# Altium PCB Hvamp_32.PCBDOC (part 3 of 6) (continued)
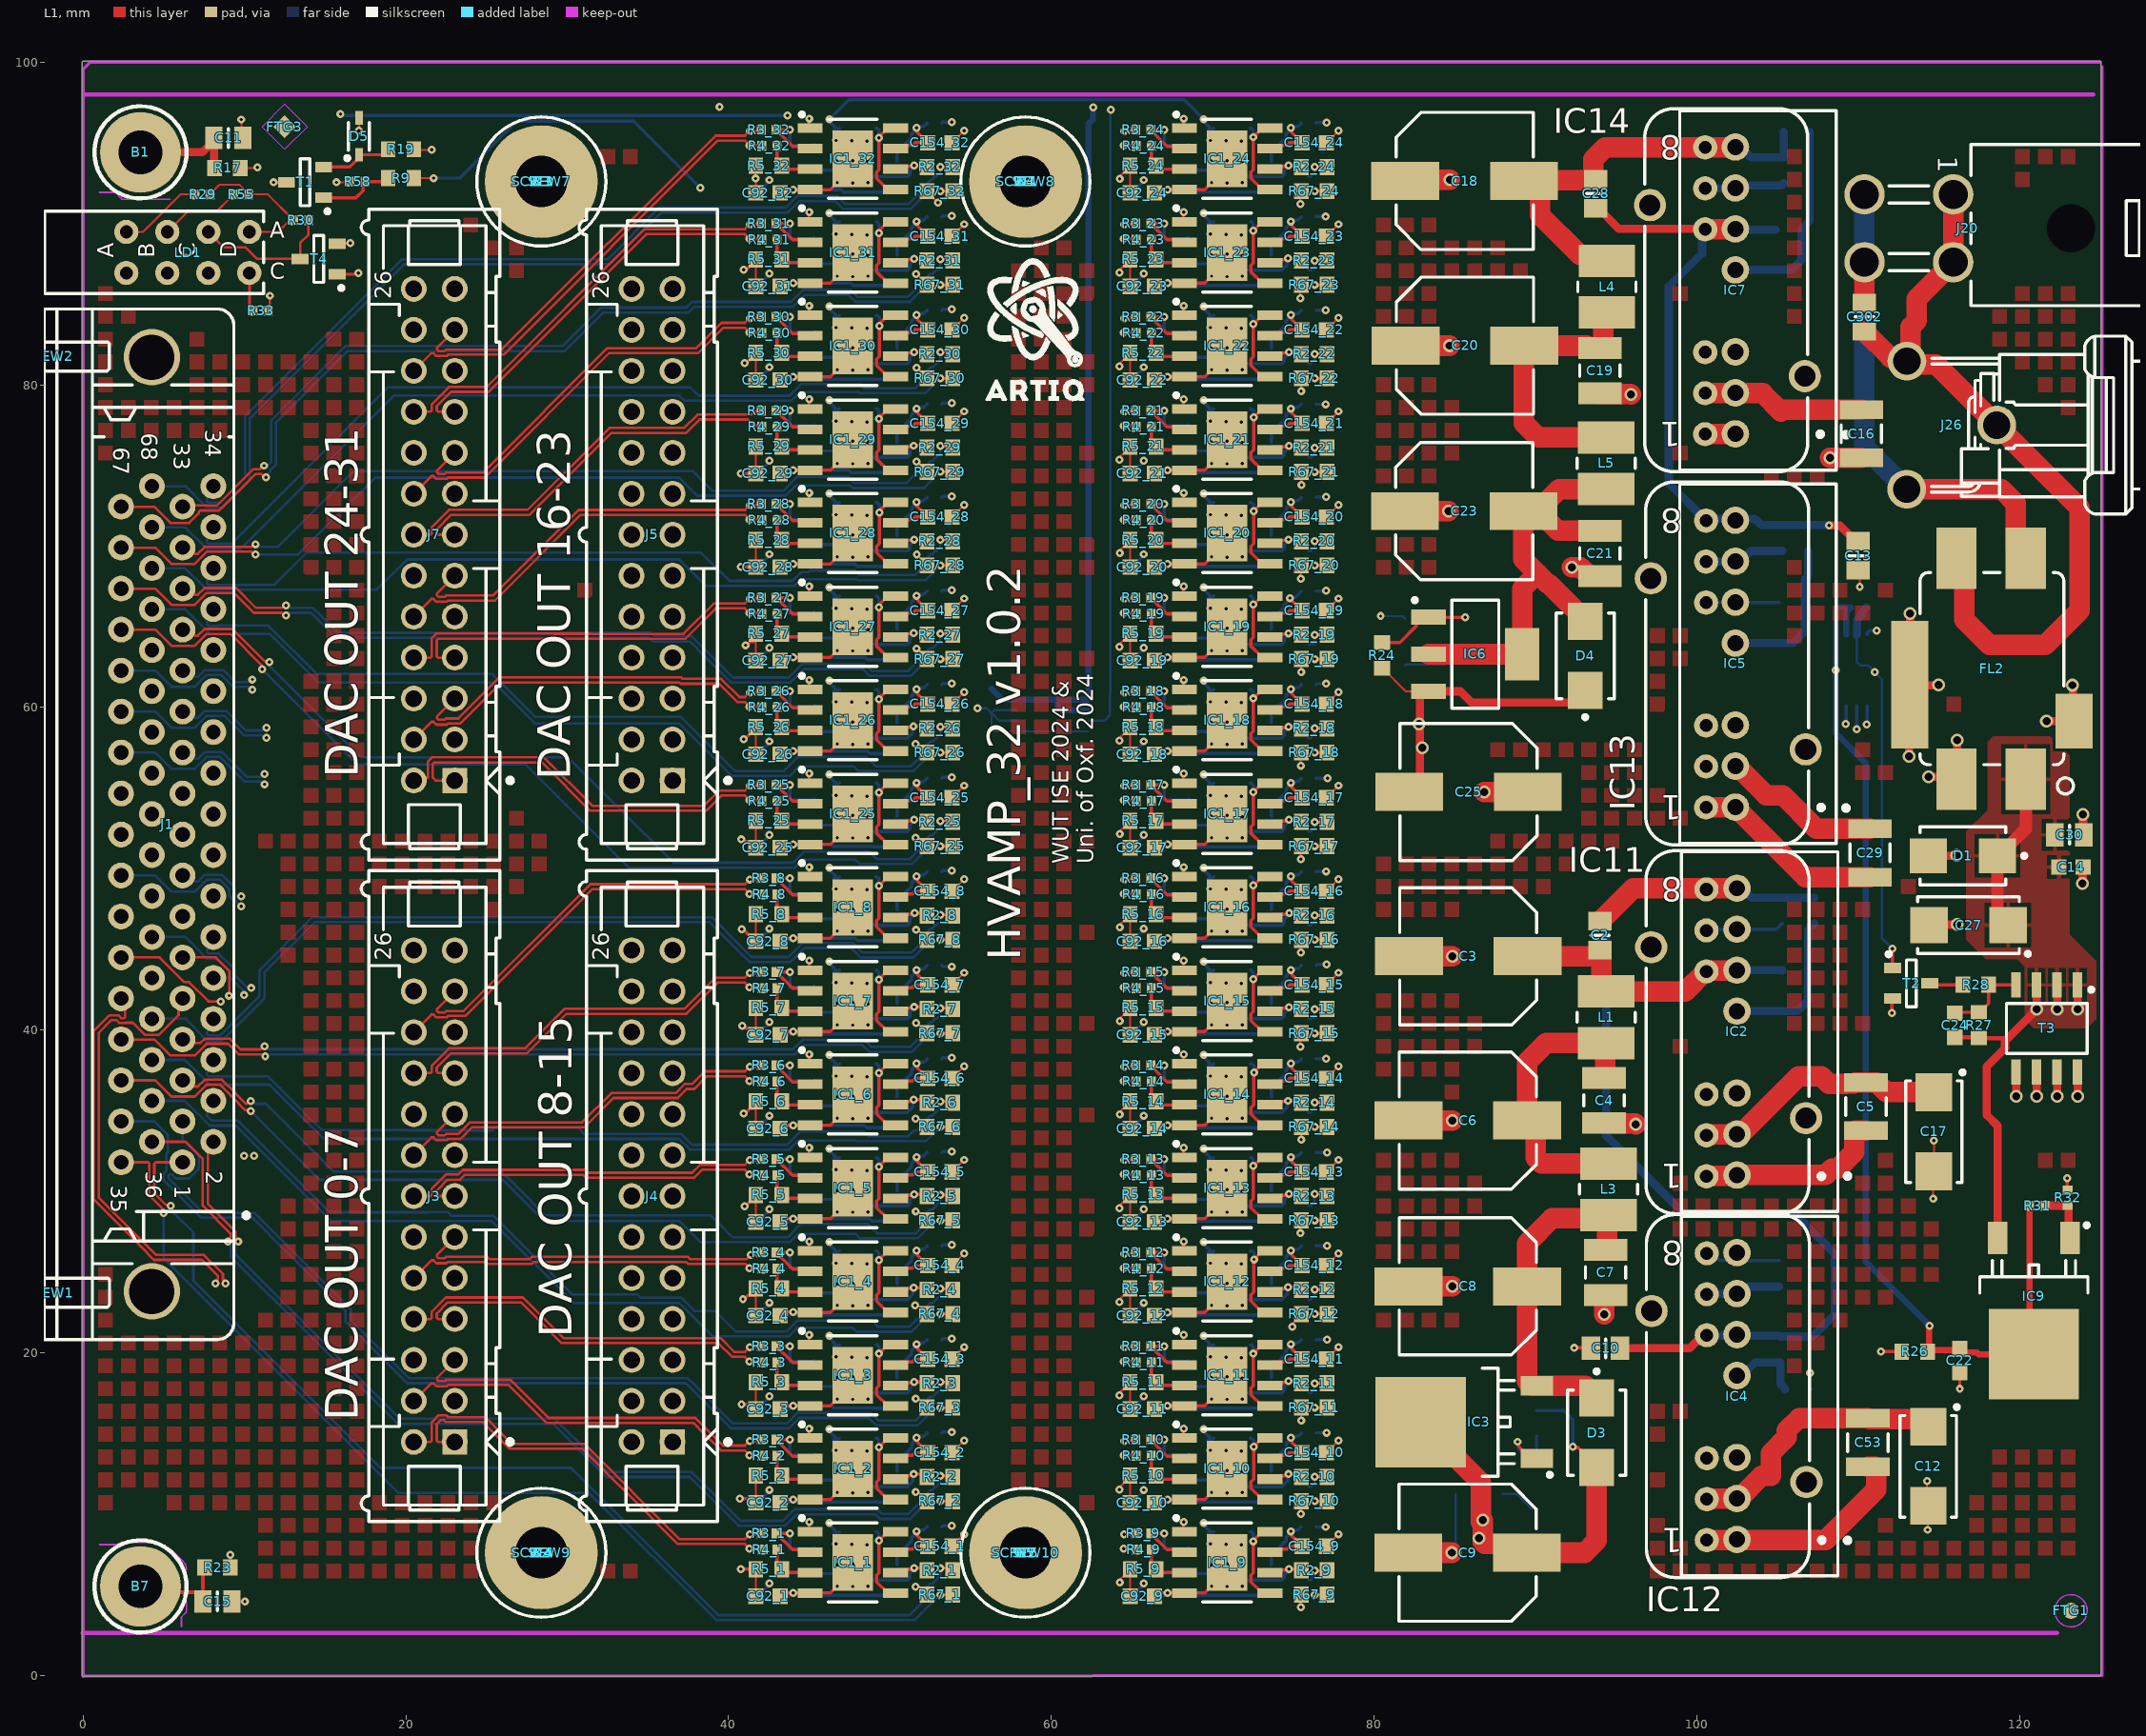
[diagram p0: L1 view]
## Nets (pads, with @x,y where several pads share a name; then routed paths per layer and width w, separated by ;. In a path a pad name is that pad's centre, name@x,y a point inside that pad or via, vN(x,y) a via of type N, cw(c..) or ccw(c..) an arc to the next point about the centre after c; other vN are vias at no path point) (continued)
  other v2: 83,57.5 82.804,58.972
HV_POS: C9.1 D3.2 IC3.2 L2_1.1 L2_2.1 L2_3.1 L2_4.1 L2_5.1 L2_6.1 L2_7.1 L2_8.1 L2_9.1 L2_10.1 L2_11.1 L2_12.1 L2_13.1 L2_14.1 L2_15.1 L2_16.1 L2_17.1 L2_18.1 L2_19.1 L2_20.1 L2_21.1 L2_22.1 L2_23.1 L2_24.1 L2_25.1 L2_26.1 L2_27.1 L2_28.1 L2_29.1 L2_30.1 L2_31.1 L2_32.1 R9.2 R10.2 | length 312.1
  L1 w0.127: R9.2@20.5,92.8 20.512,92.812 v1(21.717,92.812)
  L1 w0.203: v1(92.329,14.173) 92.386,14.116 92.648,14.116 93.802,12.962 D3.2@93.802,12.887 D3.2@93.802,12.812
  L1 w1.27: IC3.2@82.898,15.697 86.639,11.956 v2@86.639,9.511 ; v2(86.756,9.614) 86.756,8.244 86.86,8.14 88.935,8.14 C9.1@89.475,7.6 93.058,7.6 93.802,8.344 D3.2@93.802,12.812
  L3 w0.203: v1(53.848,96.271) v1(53.848,90.471) v1(53.848,84.671) v1(53.848,78.871) v1(53.848,73.071) v1(53.848,67.271) v1(53.848,61.471) v1(53.848,55.671) v1(53.848,49.871) v1(53.848,43.933) v1(53.848,38.271) v1(53.848,32.471) v1(53.848,26.671) v1(53.848,20.871) v1(53.848,15.071) v1(53.848,9.271) 53.848,8.145 53.766,8.062 53.766,7.016 54.671,6.111 54.671,3.444 54.915,3.2 ; v1@76.966,9.148 76.966,8.327 77.699,7.595 77.699,3.404 77.495,3.2 ; v1@77.013,32.436 v1(77.013,78.791) v1(77.013,84.633) v1(77.013,90.424) 77.013,96.19 v1(77.064,96.241) ; v1@77.025,26.632 v1@77.025,32.41 ; v1@77.038,9.22 77.038,15.011 v1(77.064,15.037) v1@77.064,20.777 ; v1@77.038,20.803 v1@77.038,26.619
  L3 w1.27: 54.534,3.2 77.495,3.2 84.15,3.2 86.756,5.806 v2(86.756,9.614)
  L4 w0.203: v1(38.252,92.202) 39.294,91.161 44.165,91.161 44.648,91.643 48.973,91.643 50.114,92.784 50.114,94.082 50.866,94.833 52.034,94.833 52.527,95.326 52.903,95.326 v1(53.848,96.271)
  L6 w0.203: v1(21.717,92.812) 23.339,92.812 26.856,96.329 34.126,96.329 v1(38.252,92.202) ; L2_1.1@53.216,9.215 53.272,9.271 v1(53.848,9.271) ; L2_2.1@53.216,15.015 53.272,15.071 v1(53.848,15.071) ; L2_3.1@53.216,20.815 53.272,20.871 v1(53.848,20.871) ; L2_4.1@53.216,26.615 53.272,26.671 v1(53.848,26.671) ; L2_5.1@53.216,32.415 53.272,32.471 v1(53.848,32.471) ; L2_6.1@53.216,38.215 53.272,38.271 v1(53.848,38.271) ; L2_7.1@53.216,44.015 53.298,43.933 v1(53.848,43.933) ; L2_8.1@53.216,49.815 53.272,49.871 v1(53.848,49.871) ; L2_25.1@53.216,55.615 53.272,55.671 v1(53.848,55.671) ; L2_26.1@53.216,61.415 53.272,61.471 v1(53.848,61.471) ; L2_27.1@53.216,67.215 53.272,67.271 v1(53.848,67.271) ; L2_28.1@53.216,73.015 53.272,73.071 v1(53.848,73.071) ; L2_29.1@53.216,78.815 53.272,78.871 v1(53.848,78.871) ; L2_30.1@53.216,84.615 53.272,84.671 v1(53.848,84.671) ; L2_31.1@53.216,90.415 53.272,90.471 v1(53.848,90.471) ; L2_32.1@53.216,96.215 53.272,96.271 v1(53.848,96.271) ; L2_9.1@76.416,9.215 76.436,9.195 v1(77.013,9.195) ; L2_10.1@76.416,15.015 76.437,15.037 v1(77.064,15.037) ; L2_11.1@76.416,20.815 76.428,20.803 v1(77.089,20.803) ; L2_12.1@76.416,26.615 76.42,26.619 v1(77.089,26.619) ; L2_13.1@76.416,32.415 76.421,32.41 v1(77.089,32.41) ; L2_14.1@76.416,38.215 77.026,38.215 v1(77.038,38.227) ; L2_15.1@76.416,44.015 76.47,44.069 v1(77.064,44.069) ; L2_16.1@76.416,49.815 76.435,49.835 v1(77.038,49.835) ; L2_17.1@76.416,55.615 76.43,55.601 v1(77.114,55.601) ; L2_18.1@76.416,61.415 76.469,61.468 v1(77.038,61.468) ; L2_19.1@76.416,67.215 77.02,67.215 v1(77.038,67.234) ; L2_20.1@76.416,73.015 76.451,73.05 v1(77.038,73.05) ; L2_21.1@76.416,78.815 76.44,78.791 v1(77.013,78.791) ; L2_22.1@76.416,84.615 76.995,84.615 v1(77.013,84.633) ; L2_23.1@76.416,90.415 76.425,90.424 v1(77.013,90.424) ; L2_24.1@76.416,96.215 76.441,96.241 v1(77.064,96.241) ; R10.2@90.094,16.421 91.758,16.421 92.329,15.85 v1(92.329,14.173)
  other v2: 86.5,8.5
HVDC+: C2.2 C3.1 IC2.6 IC11.6 L1.1 R6.2 | length 18.8
  L1 w1.27: C3.1@89.519,44.577 93.594,44.577 93.975,44.958 C2.2@94.005,44.958 94.035,44.958 94.095,44.898 94.095,42.683 L1.1@94.386,42.392 99.3,42.392 100.544,43.636 IC11.6@100.606,43.636 100.643,43.673 102.463,43.673 IC2.6@102.5,43.71
  L6 w0.508: IC2.6@102.5,43.71 102.505,43.705 105.295,43.705 R6.2@105.3,43.7
HVDC-: C18.2 C28.1 IC7.8 IC14.8 L4.1 R22.2 R25.2 | length 27.2
  L1 w1.27: C18.2@89.29,92.634 89.347,92.69 C18.2@90.322,92.69 ; L4.1@94.437,87.68 94.072,88.045 92.763,88.045 90.3,90.509 90.3,92.668 C18.2@90.322,92.69 ; IC7.8@102.4,94.74 102.388,94.728 100.542,94.728 IC14.8@100.53,94.715 94.343,94.715 93.599,93.971 93.599,92.869 93.695,92.773 93.695,92.69 C18.2@90.322,92.69
  L6 w0.508: IC7.8@102.4,94.74 102.723,94.74 103.363,94.1 R22.2@105.4,94.1 R25.2@105.4,95.7
HVDC_1/2+: C2.1 C10.2 IC2.8 IC4.6 IC11.8 IC12.6 R7.2 R8.2 R11.2 | length 70.3
  L1 w0.508: C10.2@95.261,20.269 99.551,20.269 100.363,21.081 IC12.6@100.631,21.081
  L1 w1.27: C2.1@94.005,46.758 94.035,46.758 96.067,48.79 IC2.8@102.5,48.79
  L6 w0.508: IC11.8@100.606,48.716 95.68,48.716 94.386,47.422 94.386,33.452 99.238,28.6 106.096,28.6 108.56,26.137 108.56,22.352 107.208,21 R11.2@105.2,21 105.16,21.04 100.671,21.04 IC12.6@100.631,21.081 ; IC2.8@102.5,48.79 102.823,48.79 103.413,48.2 R7.2@105.3,48.2 R8.2@107.3,48.2
HVDC_1/2-: C13.1 C28.2 IC5.8 IC7.6 IC13.8 IC14.6 R16.2 R18.2 R21.2 | length 43.6
  L1 w0.508: C28.2@93.751,90.946 93.901,90.946 95.186,89.662 100.503,89.662 IC14.6@100.53,89.635 ; v1(108.204,71.272) 108.878,71.272 109.85,70.3 C13.1@110,70.3
  L1 w1.27: IC14.6@100.53,89.635 100.542,89.648 102.388,89.648 IC7.6@102.4,89.66
  L6 w0.508: R21.2@104.9,89.6 104.882,89.618 100.547,89.618 IC14.6@100.53,89.635 100.34,89.445 100.34,88.148 98.273,86.081 98.273,73.889 IC13.8@100.584,71.577 100.711,71.704 103.607,71.704 104.011,71.3 R16.2@105.3,71.3 R18.2@106.9,71.3 108.176,71.3 v1(108.204,71.272)
IN_N1: J3.2 J9.2 R3_1.1 | length 26.2
  L1 w0.152: J9.2@20.492,14.466 21.521,14.466 21.61,14.555 21.61,15.696 22.037,16.123 22.497,16.123 22.617,16.003 24.916,16.003 25.908,15.011 26.568,14.351 31.069,14.351 36.98,8.44 41.021,8.44 41.313,8.733 v1(41.326,8.733)
  L1 w0.203: v1(41.326,8.733) 41.963,8.733 R3_1.1@42.03,8.8
IN_N2: J3.5 J9.5 R3_2.1 | length 23.7
  L1 w0.152: J9.5@23.032,19.546 21.933,18.447 21.933,18.321 22.023,18.232 22.408,18.232 22.491,18.314 26.48,18.314 28.843,15.951 37.948,15.951 39.658,14.24 41.021,14.24 41.313,14.533 v1(41.326,14.533)
  L1 w0.203: v1(41.326,14.533) 41.963,14.533 R3_2.1@42.03,14.6
IN_N3: J3.8 J9.8 R3_3.1 | length 23.9
  L1 w0.152: J9.8@20.492,22.086 21.521,22.086 21.61,22.175 21.61,22.549 22.48,23.42 27.257,23.42 29.773,20.904 39.497,20.904 40.361,20.04 41.021,20.04 41.313,20.333 v1(41.326,20.333)
  L1 w0.203: v1(41.326,20.333) 41.963,20.333 R3_3.1@42.03,20.4
IN_N4: J3.11 J9.11 R3_4.1 | length 22.2
  L1 w0.152: J9.11@23.032,27.166 21.933,26.067 21.933,25.941 22.023,25.852 22.408,25.852 22.491,25.934 25.048,25.934 25.174,25.808 27.686,25.808 27.812,25.934 37.487,25.934 37.613,25.808 41.127,25.808 41.387,26.068 v1(41.39,26.068)
  L1 w0.203: v1(41.39,26.068) 41.898,26.068 R3_4.1@42.03,26.2
IN_N5: J3.14 J9.14 R3_5.1 | length 22.9
  L1 w0.152: J9.14@20.492,29.706 21.521,29.706 21.61,29.795 21.61,30.169 22.48,31.04 23.245,31.04 23.536,31.331 31.11,31.331 31.199,31.242 31.287,31.154 37.747,31.154 38.234,31.64 41.021,31.64 41.313,31.933 v1(41.326,31.933)
  L1 w0.203: v1(41.326,31.933) 41.963,31.933 R3_5.1@42.03,32
IN_N6: J3.17 J9.17 R3_6.1 | length 23.6
  L1 w0.152: J9.17@23.032,34.786 21.933,33.687 21.933,33.561 22.023,33.472 22.408,33.472 22.491,33.554 23.255,33.554 23.979,34.278 30.927,34.278 32.744,36.094 36.719,36.094 37.278,36.653 37.747,36.653 38.534,37.44 41.021,37.44 41.313,37.733 v1(41.326,37.733)
  L1 w0.203: v1(41.326,37.733) 41.963,37.733 R3_6.1@42.03,37.8
IN_N7: J3.20 J9.20 R3_7.1 | length 24.4
  L1 w0.152: J9.20@20.492,37.326 21.521,37.326 21.61,37.415 21.61,37.789 22.684,38.863 27.382,38.863 29.832,41.313 37.264,41.313 39.191,43.241 41.021,43.241 41.313,43.533 v1(41.326,43.533)
  L1 w0.203: v1(41.326,43.533) 41.963,43.533 R3_7.1@42.03,43.6
IN_N8: J3.23 J9.23 R3_8.1 | length 25.3
  L1 w0.152: J9.23@23.032,42.406 21.933,41.307 21.933,41.181 22.023,41.092 22.408,41.092 22.491,41.174 23.573,41.174 31.439,49.04 41.021,49.04 41.313,49.333 v1(41.326,49.333)
  L1 w0.203: v1(41.326,49.333) 41.963,49.333 R3_8.1@42.03,49.4
IN_N9: J4.2 J6.2 R3_9.1 | length 37
  L1 w0.203: v1(64.526,8.733) 65.163,8.733 R3_9.1@65.23,8.8
  L2 w0.152: J6.2@33.992,14.466 35.021,14.466 35.11,14.555 35.11,15.348 35.739,15.977 37.711,15.977 41.009,12.678 44.497,12.678 45.898,11.278 47.015,10.16 53.722,10.16 55.297,11.735 61.061,11.735 61.15,11.646 64.047,8.748 64.047,8.534 64.141,8.44 64.267,8.44 64.526,8.699 v1(64.526,8.733)
IN_N10: J4.5 J6.5 R3_10.1 | length 34
  L1 w0.203: v1(64.526,14.533) 65.163,14.533 R3_10.1@65.23,14.6
  L2 w0.152: J6.5@36.532,19.546 35.433,18.447 35.433,18.321 35.523,18.232 35.908,18.232 36.148,18.472 44.291,18.472 45.822,16.942 46.909,15.855 51.963,15.855 52.934,14.884 54.166,13.652 57.442,13.652 58.031,14.24 64.221,14.24 64.513,14.533 v1(64.526,14.533)
IN_N11: J4.8 J6.8 R3_11.1 | length 33.8
  L1 w0.203: v1(64.526,20.333) 65.163,20.333 R3_11.1@65.23,20.4
  L2 w0.152: J6.8@33.992,22.086 35.021,22.086 35.11,22.175 35.11,22.55 35.98,23.42 39.452,23.42 40.799,22.073 44.564,22.073 44.869,22.377 47.041,22.377 47.422,21.996 47.727,21.692 55.804,21.692 57.455,20.04 64.221,20.04 64.513,20.333 v1(64.526,20.333)
IN_N12: J4.11 J6.11 R3_12.1 | length 33.5
  L1 w0.203: v1(64.526,26.133) 65.163,26.133 R3_12.1@65.23,26.2
  L2 w0.152: J6.11@36.532,27.166 35.433,26.067 35.433,25.941 35.523,25.852 35.908,25.852 35.991,25.934 36.755,25.934 38.126,27.305 43.816,27.305 44.527,28.016 47.434,28.016 47.7,27.75 47.891,27.559 56.236,27.559 57.954,25.84 64.221,25.84 64.513,26.133 v1(64.526,26.133)
IN_N13: J4.14 J6.14 R3_13.1 | length 34.1
  L1 w0.203: v1(64.526,31.933) 65.163,31.933 R3_13.1@65.23,32
  L2 w0.152: J6.14@33.992,29.706 34.311,29.706 35.173,30.569 35.173,30.695 35.721,31.243 39.143,31.243 41.14,33.24 43.985,33.24 44.654,33.909 46.888,33.909 47.193,33.604 47.568,33.229 55.442,33.229 57.031,31.64 64.221,31.64 64.513,31.933 v1(64.526,31.933)
IN_N14: J4.17 J6.17 R3_14.1 | length 36.3
  L1 w0.203: v1(64.526,37.733) 65.163,37.733 R3_14.1@65.23,37.8
  L2 w0.152: J6.17@36.532,34.786 35.433,33.687 35.433,33.561 35.523,33.472 35.908,33.472 35.991,33.554 36.755,33.554 38.475,35.274 38.475,37.356 40.248,39.129 42.611,39.129 42.7,39.04 42.724,39.016 44.22,39.016 44.701,39.497 48.92,39.497 49.327,39.091 58.801,39.091 59.69,38.202 60.451,37.44 64.221,37.44 64.513,37.733 v1(64.526,37.733)
IN_N15: J4.20 J6.20 R3_15.1 | length 37.1
  L1 w0.203: v1(64.526,43.533) 65.163,43.533 R3_15.1@65.23,43.6
  L2 w0.152: J6.20@33.992,37.326 35.021,37.326 35.11,37.415 35.11,37.79 36.184,38.863 36.948,38.863 38.907,40.822 38.907,42.92 40.742,44.755 43.943,44.755 44.578,45.39 47.727,45.39 47.93,45.187 48.121,44.996 55.207,44.996 56.962,43.241 64.221,43.241 64.513,43.533 v1(64.526,43.533)
IN_N16: J4.23 J6.23 R3_16.1 | length 36.9
  L1 w0.203: v1(64.526,49.333) 65.163,49.333 R3_16.1@65.23,49.4
  L2 w0.152: J6.23@36.532,42.406 36.606,42.333 37.447,42.333 37.561,42.447 37.561,43.174 39.268,44.882 39.268,49.377 40.311,50.419 43.765,50.419 44.603,51.257 46.888,51.257 47.32,50.825 47.574,50.571 53.188,50.571 53.658,51.041 56.249,51.041 58.249,49.04 64.221,49.04 64.513,49.333 v1(64.526,49.333)
IN_N17: J2.2 J5.2 R3_17.1 | length 34
  L1 w0.203: v1(64.526,55.133) 65.163,55.133 R3_17.1@65.23,55.2
  L2 w0.152: J2.2@33.992,55.466 35.021,55.466 35.11,55.555 35.11,56.348 35.658,56.896 42.494,56.896 43.129,56.261 44.065,56.261 44.904,57.099 47.351,57.099 47.7,56.75 47.833,56.617 57.099,56.617 58.875,54.84 64.221,54.84 64.513,55.133 v1(64.526,55.133)
IN_N18: J2.5 J5.5 R3_18.1 | length 34.1
  L1 w0.203: v1(64.526,60.933) 65.163,60.933 R3_18.1@65.23,61
  L2 w0.152: J2.5@36.532,60.546 35.433,59.447 35.433,59.321 35.523,59.232 35.908,59.232 35.991,59.314 36.988,59.314 39.752,62.078 43.943,62.078 44.781,62.916 47.092,62.916 47.447,62.56 47.6,62.408 56.134,62.408 57.901,60.64 64.221,60.64 64.513,60.933 v1(64.526,60.933)
IN_N19: J2.8 J5.8 R3_19.1 | length 34.8
  L1 w0.203: v1(64.526,66.733) 65.163,66.733 R3_19.1@65.23,66.8
  L2 w0.152: J2.8@33.992,63.086 35.021,63.086 35.11,63.175 35.11,63.549 36.184,64.623 37.522,64.623 40.717,67.818 43.74,67.818 44.552,68.631 46.888,68.631 47.193,68.326 47.396,68.123 55.22,68.123 56.902,66.44 64.221,66.44 64.513,66.733 v1(64.526,66.733)
IN_N20: J2.11 J5.11 R3_20.1 | length 37.6
  L1 w0.203: v1(64.526,72.533) 65.163,72.533 R3_20.1@65.23,72.6
  L2 w0.152: J2.11@36.532,68.166 35.433,67.067 35.433,66.941 35.523,66.852 35.908,66.852 35.991,66.934 36.72,66.934 38.003,68.218 38.003,71.348 40.239,73.584 43.988,73.584 44.877,74.473 47.676,74.473 47.854,74.295 47.994,74.155 56.223,74.155 58.138,72.24 64.221,72.24 64.513,72.533 v1(64.526,72.533)
IN_N21: J2.14 J5.14 R3_21.1 | length 37
  L1 w0.203: v1(64.526,78.333) 65.163,78.333 R3_21.1@65.23,78.4
  L2 w0.152: J2.14@33.992,70.706 35.021,70.706 36.024,71.71 36.024,71.747 36.335,72.058 36.763,72.058 39.903,75.198 39.903,75.288 ; 39.993,75.288 39.993,75.298 40.868,76.174 41.326,76.174 42.494,77.342 42.494,78.104 42.621,78.231 42.621,78.765 43.536,79.68 44.146,79.68 44.756,80.289 48.311,80.289 48.666,79.934 48.819,79.781 57.247,79.781 58.988,78.04 64.221,78.04 64.513,78.333 v1(64.526,78.333)
IN_N22: J2.17 J5.17 R3_22.1 | length 40.4
  L1 w0.203: v1(64.526,84.133) 65.163,84.133 R3_22.1@65.23,84.2
  L2 w0.152: J2.17@36.532,75.786 35.433,74.687 35.433,74.561 35.523,74.472 35.908,74.472 35.991,74.554 37.292,74.554 40.208,77.47 40.208,80.323 40.788,80.903 41.183,80.903 42.225,81.945 42.225,84.312 43.113,85.2 44.041,85.2 44.131,85.289 44.131,85.405 44.629,85.903 47.142,85.903 47.346,85.7 47.523,85.522 55.524,85.522 57.206,83.841 64.221,83.841 64.513,84.133 v1(64.526,84.133)
IN_N23: J2.20 J5.20 R3_23.1 | length 43.7
  L1 w0.203: v1(64.526,89.933) 65.163,89.933 R3_23.1@65.23,90
  L2 w0.152: J2.20@33.992,78.326 35.021,78.326 35.11,78.415 35.11,79.546 35.371,79.807 38.049,79.807 39.37,81.128 39.37,83.87 40.943,85.443 40.943,86.387 42.545,87.989 42.545,90.601 42.927,90.983 43.987,90.983 44.952,91.948 47.193,91.948 47.473,91.669 47.686,91.455 52.176,91.455 52.756,90.875 52.756,90.294 53.1,89.95 54.607,88.443 61.57,88.443 62.768,89.64 64.221,89.64 64.513,89.933 v1(64.526,89.933)
IN_N24: J2.23 J5.23 R3_24.1 | length 45.1
  L1 w0.203: v1(64.526,95.733) 65.163,95.733 R3_24.1@65.23,95.8
  L2 w0.152: J2.23@36.532,83.406 35.433,82.307 35.433,82.181 35.523,82.092 35.908,82.092 35.991,82.174 36.755,82.174 38.031,83.45 38.031,84.301 39.319,85.589 39.319,95.148 41.784,97.612 60.935,97.612 61.519,97.028 63.106,95.441 64.221,95.441 64.513,95.733 v1(64.526,95.733)
IN_N25: J7.2 J8.2 R3_25.1 | length 24.5
  L1 w0.152: J8.2@20.492,55.466 20.678,55.651 21.361,55.651 21.361,56.628 21.629,56.896 28.562,56.896 31.559,53.899 38.487,53.899 39.429,54.84 41.021,54.84 41.313,55.133 v1(41.326,55.133)
  L1 w0.203: v1(41.326,55.133) 41.963,55.133 R3_25.1@42.03,55.2
IN_N26: J7.5 J8.5 R3_26.1 | length 23.6
  L1 w0.152: J8.5@23.032,60.546 21.933,59.447 21.933,59.321 22.023,59.232 22.408,59.232 22.491,59.314 23.255,59.314 25.795,61.854 37.074,61.854 37.156,61.773 39.547,61.773 40.679,60.64 41.021,60.64 41.313,60.933 v1(41.326,60.933)
  L1 w0.203: v1(41.326,60.933) 41.963,60.933 R3_26.1@42.03,61
IN_N27: J7.8 J8.8 R3_27.1 | length 23.7
  L1 w0.152: J8.8@20.492,63.086 21.521,63.086 21.61,63.175 21.61,64.299 21.883,64.572 29.185,64.572 29.191,64.566 31.439,64.566 31.445,64.561 37.206,64.561 39.086,66.44 41.021,66.44 41.313,66.733 v1(41.326,66.733)
  L1 w0.203: v1(41.326,66.733) 41.963,66.733 R3_27.1@42.03,66.8
IN_N28: J7.11 J8.11 R3_28.1 | length 24.2
  L1 w0.152: J8.11@23.032,68.166 21.933,67.067 21.933,66.941 22.023,66.852 22.408,66.852 22.491,66.934 25.406,66.934 30.712,72.24 41.021,72.24 41.313,72.533 v1(41.326,72.533)
  L1 w0.203: v1(41.326,72.533) 41.963,72.533 R3_28.1@42.03,72.6
IN_N29: J7.14 J8.14 R3_29.1 | length 24.9
  L1 w0.152: J8.14@20.492,70.706 21.521,70.706 21.61,70.795 21.61,71.169 22.684,72.243 27.539,72.243 32.619,77.323 37.245,77.323 38.077,78.155 41.412,78.155 41.59,78.333
  L1 w0.203: 41.59,78.333 41.963,78.333 R3_29.1@42.03,78.4
IN_N30: J7.17 J8.17 R3_30.1 | length 25.8
  L1 w0.152: J8.17@23.032,75.786 21.933,74.687 21.933,74.561 22.023,74.472 22.408,74.472 22.491,74.554 24.77,74.554 32.486,82.27 37.999,82.27 39.569,83.841 41.021,83.841 41.313,84.133 v1(41.326,84.133)
  L1 w0.203: v1(41.326,84.133) 41.963,84.133 R3_30.1@42.03,84.2
IN_N31: J7.20 J8.20 R3_31.1 | length 26.6
  L1 w0.152: J8.20@20.492,78.326 21.521,78.326 21.61,78.415 21.61,78.789 22.684,79.863 25,79.863 34.777,89.64 41.021,89.64 41.313,89.933 v1(41.326,89.933)
  L1 w0.203: v1(41.326,89.933) 41.963,89.933 R3_31.1@42.03,90
IN_N32: J7.23 J8.23 R3_32.1 | length 27.5
  L1 w0.152: J8.23@23.032,83.406 21.933,82.307 21.933,82.181 22.023,82.092 22.408,82.092 22.491,82.174 25.939,82.174 39.206,95.441 41.021,95.441 41.313,95.733 v1(41.326,95.733)
  L1 w0.203: v1(41.326,95.733) 41.963,95.733 R3_32.1@42.03,95.8
IN_P1: J3.1 J9.1 R4_1.1 | length 25.7
  L1 w0.152: J9.1@23.032,14.466 22.004,14.466 21.915,14.555 21.915,15.569 22.163,15.818 22.371,15.818 22.491,15.698 24.79,15.698 25.585,14.904 26.442,14.046 30.943,14.046 33.228,11.761 33.444,11.546 36.854,8.136 41.021,8.136 41.3,7.856 v1(41.3,7.844)
  L1 w0.203: v1(41.3,7.844) 42.016,7.844 R4_1.1@42.06,7.8
IN_P2: J3.4 J9.4 R4_2.1 | length 24
  L1 w0.152: J9.4@20.492,17.006 21.592,18.105 21.718,18.105 21.896,17.927 22.534,17.927 22.617,18.009 26.354,18.009 28.717,15.646 37.821,15.646 38.025,15.443 38.24,15.228 39.532,13.936 41.021,13.936 41.3,13.656 v1(41.3,13.644)
  L1 w0.203: v1(41.3,13.644) 42.016,13.644 R4_2.1@42.06,13.6
IN_P3: J3.7 J9.7 R4_3.1 | length 23.4
  L1 w0.152: J9.7@23.032,22.086 22.004,22.086 21.915,22.175 21.915,22.423 22.606,23.115 27.131,23.115 28.16,22.086 29.646,20.599 39.371,20.599 40.234,19.736 41.021,19.736 41.3,19.456 v1(41.3,19.444)
  L1 w0.203: v1(41.3,19.444) 42.016,19.444 R4_3.1@42.06,19.4
IN_P4: J3.10 J9.10 R4_4.1 | length 22.4
  L1 w0.152: J9.10@20.492,24.626 21.592,25.725 21.718,25.725 21.896,25.547 22.534,25.547 22.617,25.629 24.922,25.629 25.048,25.503 27.812,25.503 27.938,25.629 37.361,25.629 37.487,25.503 41.037,25.503 41.297,25.244 v1(41.3,25.244)
  L1 w0.203: v1(41.3,25.244) 42.016,25.244 R4_4.1@42.06,25.2
IN_P5: J3.13 J9.13 R4_5.1 | length 22.4
  L1 w0.152: J9.13@23.032,29.706 22.004,29.706 21.915,29.795 21.915,30.043 22.606,30.735 23.371,30.735 23.662,31.026 30.983,31.026 31.161,30.849 37.873,30.849 38.36,31.336 41.021,31.336 41.3,31.056 v1(41.3,31.044)
  L1 w0.203: v1(41.3,31.044) 42.016,31.044 R4_5.1@42.06,31
IN_P6: J3.16 J9.16 R4_6.1 | length 23.9
  L1 w0.152: J9.16@20.492,32.246 21.592,33.345 21.718,33.345 21.896,33.167 22.534,33.167 22.617,33.249 23.381,33.249 24.105,33.973 31.053,33.973 32.87,35.789 36.845,35.789 37.404,36.348 37.873,36.348 38.66,37.136 41.021,37.136 41.3,36.856 v1(41.3,36.844)
  L1 w0.203: v1(41.3,36.844) 42.016,36.844 R4_6.1@42.06,36.8
IN_P7: J3.19 J9.19 R4_7.1 | length 23.9
  L1 w0.152: J9.19@23.032,37.326 22.004,37.326 21.915,37.415 21.915,37.663 22.81,38.558 27.508,38.558 29.958,41.008 37.39,41.008 39.318,42.936 41.021,42.936 41.3,42.656 v1(41.3,42.644)
  L1 w0.203: v1(41.3,42.644) 42.016,42.644 R4_7.1@42.06,42.6
IN_P8: J3.22 J9.22 R4_8.1 | length 25.5
  L1 w0.152: J9.22@20.492,39.866 21.592,40.965 21.718,40.965 21.896,40.787 22.534,40.787 22.617,40.869 23.699,40.869 31.565,48.736 41.021,48.736 41.3,48.456 v1(41.3,48.444)
  L1 w0.203: v1(41.3,48.444) 42.016,48.444 R4_8.1@42.06,48.4
IN_P9: J4.1 J6.1 R4_9.1 | length 36.6
  L1 w0.203: v1(64.5,7.844) 65.216,7.844 R4_9.1@65.26,7.8
  L2 w0.152: J6.1@36.532,14.466 35.504,14.466 35.415,14.555 35.415,15.222 35.865,15.672 37.585,15.672 40.883,12.374 44.371,12.374 45.575,11.17 46.889,9.855 53.848,9.855 55.423,11.43 60.935,11.43 63.742,8.622 63.742,8.408 64.015,8.136 64.242,8.136 64.5,7.877 v1(64.5,7.844)
IN_P10: J4.4 J6.4 R4_10.1 | length 34.3
  L1 w0.203: v1(64.5,13.644) 65.216,13.644 R4_10.1@65.26,13.6
  L2 w0.152: J6.4@33.992,17.006 35.092,18.105 35.218,18.105 35.396,17.927 36.034,17.927 36.275,18.167 44.165,18.167 45.498,16.834 46.782,15.55 51.837,15.55 52.61,14.777 54.04,13.347 57.569,13.347 58.157,13.936 64.221,13.936 64.5,13.656 v1(64.5,13.644)
IN_P11: J4.7 J6.7 R4_11.1 | length 33.3
  L1 w0.203: v1(64.5,19.444) 65.216,19.444 R4_11.1@65.26,19.4
  L2 w0.152: J6.7@36.532,22.086 35.504,22.086 35.415,22.175 35.415,22.423 36.106,23.115 39.325,23.115 40.672,21.768 44.691,21.768 44.995,22.073 46.915,22.073 47.6,21.387 55.678,21.387 55.932,21.133 56.147,20.917 57.329,19.736 64.221,19.736 64.5,19.456 v1(64.5,19.444)
IN_P12: J4.10 J6.10 R4_12.1 | length 33.7
  L1 w0.203: v1(64.5,25.244) 65.216,25.244 R4_12.1@65.26,25.2
  L2 w0.152: J6.10@33.992,24.626 35.092,25.725 35.218,25.725 35.396,25.547 36.034,25.547 36.117,25.629 36.881,25.629 38.252,27 43.942,27 44.653,27.711 47.308,27.711 47.765,27.254 56.109,27.254 56.325,27.039 57.828,25.536 64.221,25.536 64.5,25.256 v1(64.5,25.244)
IN_P13: J4.13 J6.13 R4_13.1 | length 33.6
  L1 w0.203: v1(64.5,31.044) 65.216,31.044 R4_13.1@65.26,31
  L2 w0.152: J6.13@36.532,29.706 36.214,29.706 35.478,30.442 35.478,30.569 35.848,30.938 39.269,30.938 41.266,32.935 44.111,32.935 44.78,33.604 46.762,33.604 47.442,32.924 55.316,32.924 55.551,32.69 55.766,32.474 56.905,31.336 64.221,31.336 64.5,31.056 v1(64.5,31.044)
IN_P14: J4.16 J6.16 R4_14.1 | length 36.6
  L1 w0.203: v1(64.5,36.844) 65.216,36.844 R4_14.1@65.26,36.8
  L2 w0.152: J6.16@33.992,32.246 35.092,33.345 35.218,33.345 35.396,33.167 36.034,33.167 36.117,33.249 36.881,33.249 38.78,35.148 38.78,37.23 40.374,38.824 42.484,38.824 42.598,38.711 44.346,38.711 44.828,39.192 48.794,39.192 49.201,38.786 58.675,38.786 59.367,38.094 60.325,37.136 64.221,37.136 64.5,36.856 v1(64.5,36.844)
IN_P15: J4.19 J6.19 R4_15.1 | length 36.6
  L1 w0.203: v1(64.5,42.644) 65.216,42.644 R4_15.1@65.26,42.6
  L2 w0.152: J6.19@36.532,37.326 35.504,37.326 35.415,37.415 35.415,37.663 36.31,38.558 37.074,38.558 39.212,40.696 39.212,42.794 40.869,44.45 44.069,44.45 44.704,45.085 47.6,45.085 47.994,44.691 55.081,44.691 55.424,44.348 55.639,44.133 56.836,42.936 64.221,42.936 64.5,42.656 v1(64.5,42.644)
IN_P16: J4.22 J6.22 R4_16.1 | length 40.4
  L1 w0.203: v1(64.5,48.444) 65.216,48.444 R4_16.1@65.26,48.4
  L2 w0.152: J6.22@33.992,39.866 35.31,41.184 36.729,41.184 37.866,42.321 37.866,43.048 39.573,44.756 39.573,49.251 40.437,50.114 43.891,50.114 44.729,50.952 46.762,50.952 46.997,50.718 47.448,50.267 53.315,50.267 53.784,50.736 56.122,50.736 56.198,50.661 58.123,48.736 64.221,48.736 64.5,48.456 v1(64.5,48.444)
IN_P17: J2.1 J5.1 R4_17.1 | length 33.5
  L1 w0.203: v1(64.5,54.244) 65.216,54.244 R4_17.1@65.26,54.2
  L2 w0.152: J2.1@36.532,55.466 35.504,55.466 35.415,55.555 35.415,56.222 35.784,56.591 42.368,56.591 43.003,55.956 44.192,55.956 45.03,56.794 47.225,56.794 47.707,56.312 56.973,56.312 57.202,56.083 57.417,55.868 58.749,54.536 64.221,54.536 64.5,54.256 v1(64.5,54.244)
IN_P18: J2.4 J5.4 R4_18.1 | length 34.4
  L1 w0.203: v1(64.5,60.044) 65.216,60.044 R4_18.1@65.26,60
  L2 w0.152: J2.4@33.992,58.006 35.092,59.105 35.218,59.105 35.396,58.927 36.034,58.927 36.117,59.009 37.115,59.009 39.878,61.773 44.069,61.773 44.907,62.611 46.965,62.611 47.473,62.103 56.008,62.103 56.516,61.595 56.731,61.379 57.775,60.336 64.221,60.336 64.5,60.056 v1(64.5,60.044)
IN_P19: J2.7 J5.7 R4_19.1 | length 34.3
  L1 w0.203: v1(64.5,65.844) 65.216,65.844 R4_19.1@65.26,65.8
  L2 w0.152: J2.7@36.532,63.086 35.504,63.086 35.415,63.175 35.415,63.423 36.31,64.318 37.648,64.318 40.843,67.513 43.866,67.513 44.679,68.326 46.762,68.326 47.27,67.818 55.093,67.818 55.5,67.412 55.715,67.196 56.776,66.136 64.221,66.136 64.5,65.856 v1(64.5,65.844)